# Altium PCB 6502_carrier.PcbDoc (part 1 of 2) (continued)
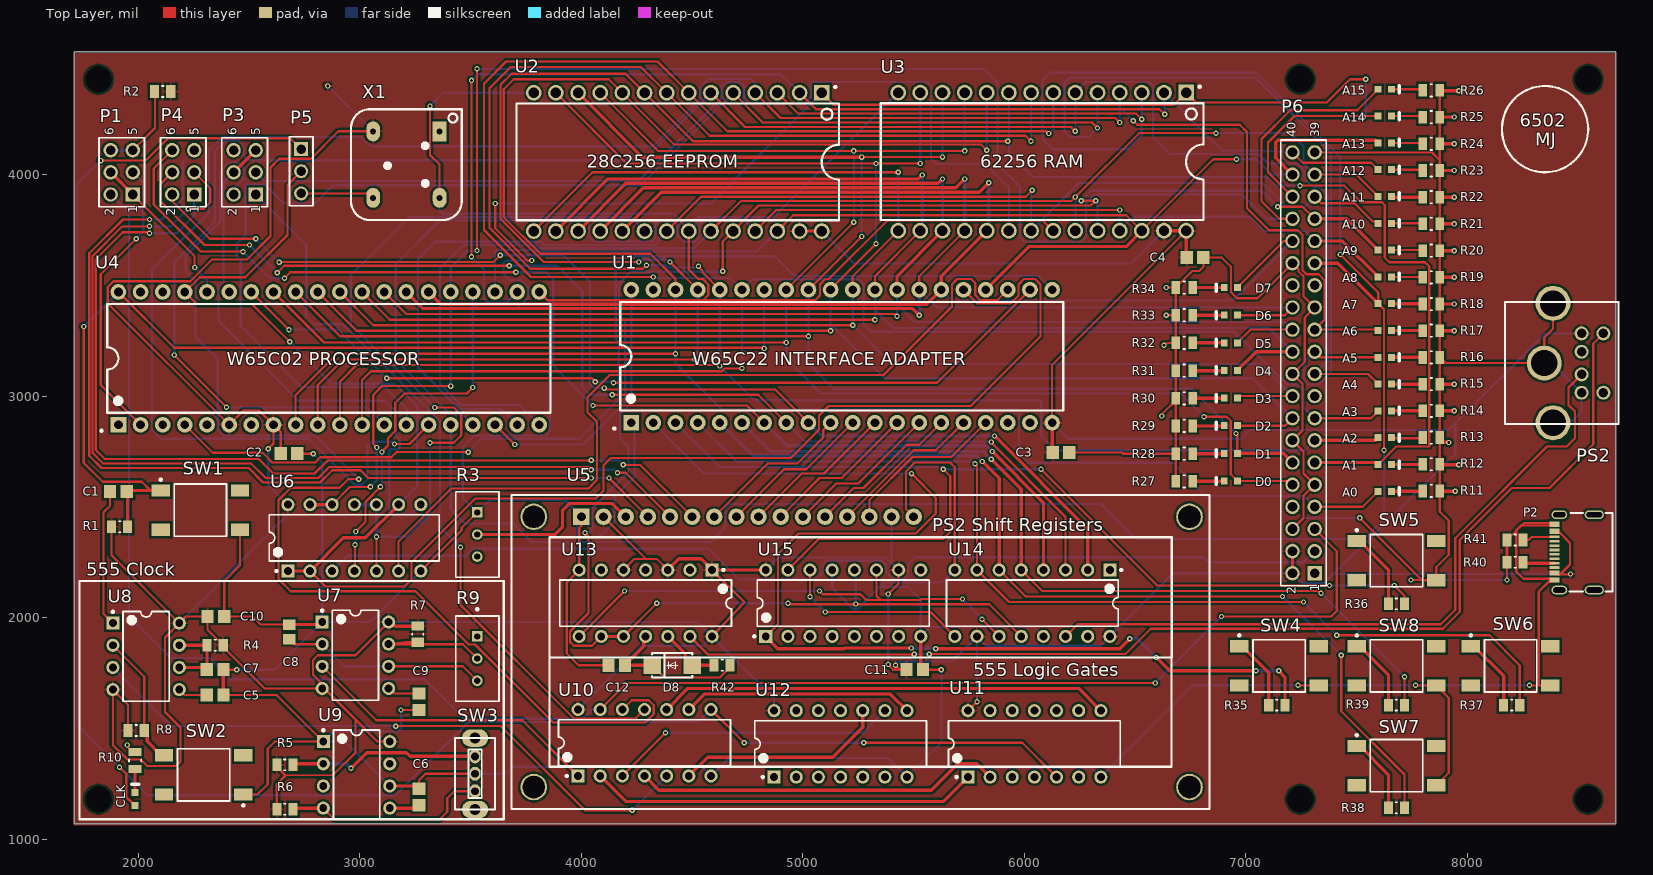
[diagram p0: Top Layer view]
## Part data
A0 A1 A2 A3 A4 A5 A6 A7 A8 A9 A10 A11 A12 A13 A14 A15 CLK: library part CMP-2100-03577-1, "Chip LED, Blue, 5 V, 25 mA, -40 to 85 degC, 2-Pin SMD (0603), RoHS, Tape and Reel", Case/Package=SMD/SMT, Colour=Blue, Forward Current=25mA, Forward Voltage=3V, Manufacturer="Everlight Electronics", Max Operating Temperature=85degC, Min Operating Temperature=-40degC, Package Description="2-Pin Surface Mount Device, Body 1.6 x 0.8 mm", Package Reference=0603, Power Dissipation=110W, Test Current=20mA, Datasheet URL=https://datasheet.ciiva.com/26901/getdatasheetpartid-420616-26901324.pdf, Datasheet Version="Rev. 1.0, 03/2003", Depth=0.8mm, Dominant Wavelength=470nm, Lead Free=LeadFree, Length=1.6mm, Lens Style=Rectangular, Luminous Intensity=28.5mcd, Manufacturer URL=http://www.everlight.com/, Mount=SurfaceMount, Number of Elements=1, Number of LEDs=1, Number of Pins=2, Packaging=TapeandReel, Radiation Hardening=No, RoHSCompliant=true, Viewing Angle=120degrees
C1 C2 C3 C4 C7 C10 C11 C12: library part CMP-2100-03644-1, "Chip Capacitor, 0.1 uF, +/- 10%, 50 V, -55 to 125 degC, 0805 (2012 Metric), RoHS, Tape and Reel", Capacitance=100nF, Case Code (Imperial)=0805, Case Code (Metric)=2012, Dielectric=X7R, Dielectric Material=Ceramic, Insulation Resistance=10GR, Manufacturer=Murata, Max Operating Temperature=125degC, Min Operating Temperature=-55degC, Package Description="2-Pin Surface Mount Device, Body 2 x 1.25 mm", Package Quantity=1, Tolerance=10%, Voltage=50V, Case/Package=0805, Datasheet URL=http://psearch.en.murata.com/capacitor/product/GRM21BR71H104KA01%23.pdf, Datasheet Version=42675.0, Depth=1.25mm, Height=1.25mm, Lead Free=LeadFree, Length=2mm, Manufacturer URL=http://www.murata.com/, Material=Ceramic, Mount=SurfaceMount, Number of Pins=2, Package Reference=0805, Packaging=TapeandReel, Radiation Hardening=No, REACH SVHC=Unknown, RoHSCompliant=true, Termination=SMD/SMT, Thickness=0.053inch, Voltage Rating=50V, Voltage Rating (DC)=50V, Width=0.049inch
C5 C6 C9: library part CMP-2000-05013-1, "Chip Capacitor, 10 nF, +/- 10%, 50 V, -55 to 125 degC, 0805 (2012 Metric), RoHS, Tape and Reel", Capacitance=10nF, Capacitance - pF=10000pF, Case Code - in=0805, Case Code - mm=2012, Case Height=0.6mm, Case Length=2mm, Case Width=1.25mm, Dielectric=X7R, Manufacturer=Murata, Maximum Operating Temperature=+125C, Minimum Operating Temperature=-55C, Operating Temperature Range=-55Cto+125C, Package / Case=0805(2012metric), Temperature Coefficient / Code=+/-15%, Tolerance=10%, Voltage Rating=50V, Brand=MurataElectronics, Capacitance - nF=10nF, Datasheet URL=https://datasheet.ciiva.com/29201/452521-da-01-en-vs-kondensator-0805-29201121.pdf, Datasheet Version=Dec-10, Dimensions=1.25mmWx2mmLx0.6mmH, Factory Pack Quantity=4000, Manufacturer URL=http://www.murata.com/, Packaging=Reel, Product=GeneralTypeMLCCs, Product Category=MultilayerCeramicCapacitorsMLCC-SMD/SMT, RoHS=Details, Series=GRM, Termination Style=SMD/SMT, Type=GeneralPurposeMLCC, Voltage Rating DC=50V
C8: library part CMP-2007-00957-1, Capacitance=1uF, Manufacturer=Murata, Part Number=GRM216R61E105KA12D
D0 D1 D2 D3 D4 D5 D6 D7: library part CMP-2100-03580-1, "Green 520~535nm 0603 Light Emitting Diodes (LED) RoHS", Colour=Green, Forward Voltage=2V, Manufacturer="Everlight Electronics", Package Description="2-Pin Surface Mount Device, Body 1.6 x 0.8 mm", Package Reference=0603, Datasheet URL=https://datasheet.ciiva.com/48679/19-217-g7c-an1p2-3t-48679179.pdf, Datasheet Version="Rev. 1, 04/2006", Lead Free=LeadFree, Lens Style=Rectangular, Manufacturer URL=http://www.everlight.com/, Mount=SurfaceMount, Number of LEDs=1, Number of Pins=2, RoHSCompliant=true, Viewing Angle=120degrees
D8: library part C95872, "General Purpose Diode, SMT, DO-214"
P1 P3 P4: library part CMP-1502-01072-1, "THT Vertical Pin Header WR-PHD, Pitch 2.54 mm, Dual Row, 6 pins", Contact Resistance=20mOhm, Manufacturer="Wurth Elektronik", Operating Temperature=-40to105degC, Rated Current=3A, Withstanding Voltage=500VAC, Working Voltage=250VAC, Datasheet URL=https://katalog.we-online.de/em/datasheet/6130xx21121.pdf, Gender=Male, Manufacturer URL=http://www.we-online.de, Mounting Technology=THT, Orientation=Vertical, Package Reference=61300621121, Packaging=Bag, Part Number=61300621121, Pin Number=6, Pitch=2.54mm, Publisher=WurthElektronik, Row Number=Dual
P2: "USB Type C Receptacle"
P5: library part CMP-1502-01062-1, "THT Vertical Pin Header WR-PHD, Pitch 2.54 mm, Single Row, 3 pins", Contact Resistance=20mOhm, Manufacturer="Wurth Elektronik", Operating Temperature=-40to105degC, Rated Current=3A, Withstanding Voltage=500VAC, Working Voltage=250VAC, Datasheet URL=https://katalog.we-online.de/em/datasheet/6130xx11121.pdf, Gender=Male, Manufacturer URL=http://www.we-online.de, Mounting Technology=THT, Orientation=Vertical, Package Reference=61300311121, Packaging=Bag, Part Number=61300311121, Pin Number=3, Pitch=2.54mm, Publisher=WurthElektronik, Row Number=Single
P6: library part CMP-1502-01135-1, "THT Vertical Pin Header WR-PHD, Pitch 2.54 mm, Dual Row, 40 pins", Contact Resistance=20mOhm, Manufacturer="Wurth Elektronik", Operating Temperature=-40to105degC, Rated Current=3A, Withstanding Voltage=500VAC, Working Voltage=250VAC, Datasheet URL=https://katalog.we-online.de/em/datasheet/6130xx21121.pdf, Gender=Male, Manufacturer URL=http://www.we-online.de, Mounting Technology=THT, Orientation=Vertical, Package Reference=61304021121, Packaging=Bag, Part Number=61304021121, Pin Number=40, Pitch=2.54mm, Publisher=WurthElektronik, Row Number=Dual
PS2: library part PS2_CONN, "PS2 Port"
R1 R2 R5 R6 R7 R8 R35 R36 R37 R38 R39: library part CMP-1013-00510-2, Manufacturer="Vishay Dale", Resistance=1K, Part Number=CRCW08051K00FKEA
R3: library part CMP-07234-000024-1, "TRIMMER 10K OHM 0.5W PC PIN TOP", Max Operating Temperature=125°C, Max Power Dissipation=500mW, Min Operating Temperature=-55°C, Package Quantity=1, Resistance=10K, Temperature Coefficient=100ppm/°C, Tolerance=10%, Composition=Cermet, Contact Plating=Tin, Depth=4.83mm, Height=0.395inch, Length=9.53mm, Military Standard=Not, Mount="Through Hole", Number of Turns=25, Packaging="Tape and Reel", Power Rating=500mW, Radiation Hardening=No, REACH SVHC="No SVHC", Taper=Linear, Termination=Pin, Weight=0.03oz, Width=0.19inch
R4: library part CMP-2001-03632-1, Manufacturer="Vishay Dale", Resistance=1M, Part Number=CRCW08051M00JNEA
R9: library part CMP-2000-05583-2, "TRIMMER 1M OHM 0.5W PC PIN TOP", Manufacturer=Bourns, Manufacturer Part Number=3296W-1-504LF, Package=3296W, Power Rating=0.5W, Resistance=1MΩ, Temperature="-55°C to +125°C", Temperature Coefficient=100ppm/°C, Temperature Range High=+125°C, Temperature Range Low=-55°C, Tolerance=10%, Voltage Rating=300V, Automotive=No, Category=Res, ComponentLink2Description=Datasheet, ComponentLink2URL=https://www.bourns.com/docs/Product-Datasheets/3296.pdf, Device Class L1="Passive Components", Device Class L2=Resistors, Device Class L3="Variable Resistors and Potentiometers", Digikey Description="TRIMMER 500K OHM 0.5W PC PIN TOP", Height=12.05mm, Lead Free=Yes, Mouser Description="Trimmer; Cermet; Rest 500 Kilohms; PCB; 25 Turns; Pwr-Rtg 0.5W", Octopart=https://octopart.com/3296w-1-504lf-bourns-143884, RoHS=TRUE, Series="Trimpot 3296-Sealed", Standoff Height=0.38mm
R10 R11 R12 R13 R14 R15 R16 R17 R18 R19 R20 R21 R22 R23 R24 R25 R26 R27 R28 R29 R30 R31 R32 R33 R34: library part CMP-2001-03682-2, "RES Thick Film, 220Ω, 1%, 0.125W, 100ppm/°C, 0805", Case Code (Imperial)=0805, Case Code (Metric)=2012, Max Operating Temperature=155°C, Max Power Dissipation=125mW, Min Operating Temperature=-55°C, Package Quantity=10, Resistance=220R, Temperature Coefficient=100ppm/°C, Tolerance=1%, Voltage Rating=150V, Case/Package=0805, Composition="Thick Film", Contact Plating=Tin, Depth=1.25mm, Features="Automotive AEC-Q200", Height=0.45mm, Lead Free="Lead Free", Length=2mm, Military Standard=Not, Mount="Surface Mount", Number of Terminations=2, Packaging="Tape and Reel", Power Rating=125mW, Radiation Hardening=No, Termination=SMD/SMT, Voltage Rating (DC)=150V, Weight=0.000194oz, Width=0.049inch
R40 R41: library part CMP-1013-00510-2, "5.1kΩ ±1% 0.125W ±100ppm/℃ 0805 Chip Resistor - Surface Mount RoHS", Manufacturer=UniOhm, Resistance=5.1K, Part Number=0805W8F5101T5E
R42: library part CMP-1013-00510-2, "33K, 0805 Chip Resistor, UniOhm", Manufacturer="Uni Ohm", Resistance=33K, Part Number=0805W8F3302T5E
SW1 SW2 SW4 SW5 SW6 SW7 SW8: library part CMP-2000-05602-2, "Swicth, SPST, 24 V, -35 to 85 degC, 4-Pin SMD, RoHS, Tape and Reel", Case\/Package=SMD/SMT, Contact Current Rating=50mA, Contact Resistance=100mOhm, Manufacturer="TE Connectivity", Max Operating Temperature=85degC, Max Voltage Rating (DC)=12V, Min Operating Temperature=-35degC, Operating Force=1.57N, Package Description="4-Pin Surface Mount Device, Body 6 x 6 mm, Pitch 4.5 mm", Package Quantity=750, Package Reference=FSM4JSMA, Voltage Rating=24V, Actuator Length=0.055inch, Actuator Material=Polyamide, Contact Material=CopperAlloy, Contact Plating=Silver, Current Rating=50mA, Datasheet URL=http://www.te.com/commerce/DocumentDelivery/DDEController?Action=showdoc&DocId=Customer+Drawing%7F2-1437565-7%7FV%7Fpdf%7FEnglish%7FENG_CD_2-1437565-7_V.pdf%7F4-1437565-2, Datasheet Version="Rev. V, 02/2015", Electrical Life=100000Cycles, Illumination Type=Illuminated, Length=6mm, Manufacturer URL=http://www.te.com/, Mechanical Life=100000Cycles, Mount=SurfaceMount, Mounting Technology=SurfaceMount, Orientation=Straight, Packaging=LoosePiece, REACH SVHC=Unknown, RoHSCompliant=true, Switch Travel=0.25mm, Termination=GullWing, Throw Configuration=SPST, Voltage Rating (DC)=24V, Width=6mm
SW3: "SPDT, Korean Hroparts Elec SS-12D02-VG4"
U1: library part WD65C22, "WD65C22 PDIP-40, I/O Controller"
U2: "Paged Parallel EEPROM AT28C256"
U3: "32K x 8, SRAM"
U4: library part WDC65C02, "WDC 6502 PDIP-40"
U5: library part LCM1602C, "2X16 LCD Display, Parallel input"
U6: library part CMP-0976-00001-1, "Quad 2-input NAND gate, CMOS, 2 to 6 V, -40 to 125 degC, 14-Pin DIP (SOT27-1), RoHS, Bulk", Manufacturer="NXP Semiconductors", Temperature Range="-40 to 125 degC", ComponentLink1Description="Manufacturer URL", ComponentLink1URL=http://www.nxp.com/, ComponentLink2Description=Datasheet, ComponentLink2URL=http://www.nxp.com/documents/data_sheet/74HC_HCT00.pdf, ComponentLink3Description="Package Specification", ComponentLink3URL=http://www.nxp.com/documents/outline_drawing/sot027-1_po.pdf, DatasheetVersion="Rev. 6", fmax (MHz)=36, Input levels=CMOS, Mounting Technology="Through Hole", Nr of bits=4, Output drive capability (mA)="+/- 5.2", PackageDescription="14-Pin plastic dual in-line package, Body 19.025 x 6.34 mm, Pitch 2.54 mm", PackageReference=SOT27-1, PackageVersion=Feb-03, Packing=Bulk, PartNumber=74HC00N, RoHS=TRUE, tpd (ns)=7, VCC (V)="2 to 6"
U7 U8 U9: library part CMP-0056-00017-2, "Timer, 8-pin MDIP", Manufacturer="National Semiconductor", PackageTopMarking=NSUZXYTTE#*LM*555CN, PowerWise=N, Code_JEDEC=MS-001-BA, ComponentLink1Description="LM555 Datasheet", ComponentLink1URL=http://www.national.com/ds/LM/LM555.pdf, ComponentLink2Description="LM555 Web Page", ComponentLink2URL=http://www.national.com/pf/LM/LM555.html, ComponentLink3Description="N08E Package Page", ComponentLink3URL=http://www.national.com/packaging/folders/n08e.html, CompType="Analog IC", DatasheetVersion=Jul-2006, PackageDescription="MDIP, .365 x .250 x .130in, 8 Lead, .100in Pitch", PackageReference=N08E, PackageVersion="revG, May-2006", PinCount=8, RevisionNote="Component URLs added", RoHS=N
U10: library part CMP-0777-00259-3, "Quadruple 2-Input Positive-AND Gates, N0014A, TUBE", F @ Nom Voltage(Max)(Mhz)=35, Generic Part Number=SN74LS08, ICC @ Nom Voltage(Max)(mA)=0.021, Manufacturer="Texas Instruments", Operating Temperature Range(C)="0 to 70", Rating=Catalog, tpd @ Nom Voltage(Max)(ns)=25, Voltage(Nom)(V)=5, Bits(#)=4, DatasheetVersion=SDLS033, Input Type=TTL, Output Drive (IOL/IOH)(Max)(mA)=-0.8/16, Output Type=TTL, PackageReference=N0014A, Schmitt Trigger=No, Technology Family=LS, VCC(Max)(V)=5.25, VCC(Min)(V)=4.75
U11: library part CMP-1615-00911-2, "Hex inverters, N0014A, TUBE", F @ Nom Voltage(Max)(Mhz)=35, Generic Part Number=SN74LS04, ICC @ Nom Voltage(Max)(mA)=0.033, Manufacturer="Texas Instruments", Operating Temperature Range(C)="0 to 70", Rating=Catalog, tpd @ Nom Voltage(Max)(ns)=22, Voltage(Nom)(V)=5, Bits(#)=6, Code_JEDEC=MS-001, DatasheetVersion=SDLS029C, Input Type=TTL, Output Drive (IOL/IOH)(Max)(mA)=-0.4/8, Output Type=CMOS, PackageReference=N0014A, Schmitt Trigger=No, Technology Family=LS, VCC(Max)(V)=5.25, VCC(Min)(V)=4.75
U12: library part CMP-1573-00145-3, "Quad 2-input positive-OR gates, N0014A, TUBE", F @ Nom Voltage(Max)(Mhz)=35, Generic Part Number=SN74LS32, ICC @ Nom Voltage(Max)(mA)=0.038, Manufacturer="Texas Instruments", Operating Temperature Range(C)="0 to 70", Rating=Catalog, tpd @ Nom Voltage(Max)(ns)=22, Voltage(Nom)(V)=5, Bits(#)=4, Code_JEDEC=MS-001, DatasheetVersion=SDLS100, Input Type=TTL, Output Drive (IOL/IOH)(Max)(mA)=0.8/-16, Output Type=TTL, PackageReference=N0014A, PackageVersion=http://www.ti.com/lit/ml/mpdi002c/mpdi002c.pdf, VCC(Max)(V)=5.25, VCC(Min)(V)=4.75
U13: library part CMP-1615-00889-3, "Hex Schmitt-Trigger Inverters, N0014A, TUBE", F @ Nom Voltage(Max)(Mhz)=20, Generic Part Number=SN74HC14, ICC @ Nom Voltage(Max)(mA)=0.02, Manufacturer="Texas Instruments", Operating Temperature Range(C)="-40 to 85", Rating=Catalog, tpd @ Nom Voltage(Max)(ns)=31, Voltage(Nom)(V)=5, Bits(#)=6, Code_JEDEC=MS-001, DatasheetVersion=SCLS085G, Input Type=CMOS, Output Drive (IOL/IOH)(Max)(mA)=-4/4, Output Type=CMOS, PackageReference=N0014A, Schmitt Trigger=Yes, Technology Family=HC, VCC(Max)(V)=6, VCC(Min)(V)=2
U14 U15: library part CMP-0780-00137-3, "8-Bit Shift Registers With 3-State Output Registers, N0016A, TUBE", F @ Nom Voltage(Max)(Mhz)=28, Generic Part Number=SN74HC595, ICC @ Nom Voltage(Max)(mA)=0.08, Manufacturer="Texas Instruments", Operating Temperature Range(C)="-40 to 85", Rating=Military, tpd @ Nom Voltage(Max)(ns)=34, Voltage(Nom)(V)=6, 3-State Output=Yes, Bits=8, Code_JEDEC=MS-001, DatasheetVersion=SCLS041H, Input Type=CMOS, Output Drive (IOL/IOH)(Max)(mA)=7.8/-7.8, Output Type=CMOS, PackageReference=N0016A, PackageVersion=http://www.ti.com/lit/ml/mpdi002c/mpdi002c.pdf, Technology Family=HC, VCC(Max)(V)=6, VCC(Min)(V)=2
X1: "12.9MM x 12.9MM, 1MHz Can Oscillator"

## Free pads (board coordinates)
  round 60 hole 118.11: 2(1820,1180) 2(1820,4430) 2(7245,1179.98) 2(7245,4429.98) 2(8545,1180) 2(8545,4430)

## Via types
v1: diameter 24.02, hole 12.2, Top Layer to Bottom Layer, tented both sides, 194 vias

## Nets (pads, with @x,y where several pads share a name; then routed paths per layer and width w, separated by ;. In a path a pad name is that pad's centre, name@x,y a point inside that pad or via, vN(x,y) a via of type N, cw(c..) or ccw(c..) an arc to the next point about the centre after c; other vN are vias at no path point)
+3V3: P6.1
+5: C2.1 C3.1 C4.1 C10.1 C11.1 P2.A4 P2.A9 P6.2 P6.4 PS2.4 R1.1 R2.1 R4.1 R5.2 R6.2 R7.1 R8.2 U1.20 U2.27 U2.28 U3.27 U3.28 U4.6 U4.8 U5.2 U5.15 U6.14 U7.4 U7.8 U8.4 U8.8 U9.8 U10.14 U11.14 U12.14 U13.1 U13.3 U13.5 U13.14 U14.10 U14.16 U15.10 U15.16 X1.2 | length 25475.6
  Top Layer w10: R1.1@1878.58,2410 1878.58,2281.42 U8.8@2185,1975 ; R8.2@1953.58,1490 1953.58,1606.42 U8.4@1885,1675 1885,1425 1946.46,1363.54 1950,1360 2010,1360 2040,1330 2170,1330 2190,1350 2190,1504 2120,1574 2120,1910 U8.8@2185,1975 ; v1(2586,2762) 2610,2786 U4.8@2610,2870 ; R6.2@2625.2,1135 2625.2,1248 2664.76,1287.56 ; R5.2@2625.2,1335 2625.2,1327.13 2664.76,1287.56 ; C2.1@2642.6,2740 2642.6,2837.4 U4.8@2610,2870 ; U7.4@2845,1678.27 2845,1680 U7.4@2840,1680 ; v1@2846.21,4405 2851.21,4400 v1(2855,4400) ; U7.4@2847.5,1682.5 2788,1742 2788,1808 2810,1830 2980,1830 U7.8@3130,1980 ; X1.2@3060,4195 2903,4195 2779,4071 2636,4071 2597,4032 2597,3723 2490,3616 2332,3616 2234,3518 1888,3518 1862,3492 1862,3418 U4.6@2410,2870 2475,2935 2545,2935 U4.8@2610,2870 ; U9.8@3135,1440 3080,1440 2980,1540 ; U5.2@4100,2455 4290,2265 ; U13.5@4190,2215 4240,2265 4290,2265 ; U13.3@4390,2215 4340,2265 4290,2265 ; U13.14@4590,1915 4736,2069 U13.1@4590,2215 ; v1(5385,1788.23) 5408.23,1765 5438,1765 ; v1(5385,2106.51) 5432.15,2153.65 U15.10@5432.15,2215 ; v1(5418,1785) 5438,1765 ; C11.1@5467.6,1765 5438,1765 ; U11.14@5745,1580 v1(5785.71,1620.71) ; U1.20@6125,2880 6125,3141.02 U3.28@6730,3746.02 ; P2.A4@8392.37,2206.61 P2.A4@8392.37,2194.79 8417.79,2194.79 ; P2.A9@8392.37,2395.59 P2.A9@8392.37,2383.78 8416,2383.78 8463,2336.78 8463,2240 8417.79,2194.79 ; v1(8465,2197) 8462.79,2194.79 8417.79,2194.79 ; U8.8@2185,1975 2215,2005 C10.1@2312.6,2005 2312.6,1945.43 R4.1@2383.03,1875 2383.03,1867.13 2570.16,1680 U7.4@2830,1680 U7.4@2840,1680 ; 2664.76,1287.56 2880,1290 2980,1390 2980,1540 ; U7.4@2840,1680 2980,1540
  Top Layer w15: U7.8@3130,1980 3141.92,1980 3160.5,1961.42 R7.1@3261.61,1961.42 ; U13.3@4390,2215 4440,2265 4540,2265 U13.1@4590,2215 U15.16@4832.15,2215 ; U2.27@4985,3745 U2.28@5085,3745 ; U1.20@6125,2880 6125,2747.6 C3.1@6127.6,2745 ; U3.27@6630,3746.02 U3.28@6730,3746.02 6730,3627.6 C4.1@6732.6,3625 ; P6.2@7210,2200 P6.4@7210,2300
  Bottom Layer w10: U8.8@2185,1975 2675,2465 U6.14@2675,2510 2586,2599 v1(2586,2762) ; v1(2855,4400) X1.2@3060,4195 ; U7.8@3130,1980 4525,1980 U13.14@4590,1915 ; U10.14@3985,1585 4273,1873 4548,1873 U13.14@4590,1915 ; U15.16@4832.15,2215 4888.67,2271.53 5375.62,2271.53 5400,2247.15 ; U12.14@4870,1580 4870,1635 U13.14@4590,1915 ; U2.28@5085,3745 5232,3598 6481.98,3598 U3.27@6630,3746.02 ; v1(5385,1788.23) v1(5385,2106.51) ; U5.15@5400,2455 5400,2247.15 ; v1(5418,1785) 5421.79,1785 5438.62,1801.82 5672.53,1801.82 U14.10@5785.71,1915 ; U15.10@5432.15,2215 5400,2247.15 ; v1(5785.71,1620.71) U14.10@5785.71,1915 ; U1.20@6125,2880 6198.01,2806.99 6979.01,2806.99 7019.02,2847 7916,2847 7945,2876 ; v1(8465,2197) 7397,2197 ; PS2.4@8515,3282.8 8351.8,3282.8 7945,2876 ; U14.10@5785.71,1915 5827.71,1873 6343.71,1873 U14.16@6385.71,1915 6670.71,2200 P6.2@7210,2200 7255,2155 7353.61,2155 7395.61,2197 7397,2197 ; 7397,2197 7945,2740 7945,2876
A0: A0.1 P6.7 U1.38 U2.10 U3.10 U4.9 | length 9947.1
  Top Layer w10: U4.9@2710,2870 2710,3005 2896.51,3191.51 v1(4425,3191.51) ; U1.38@4425,3480 4425,3528.6 4311.04,3642.56 3815.27,3642.56 3650.01,3807.82 3650.01,4385.01 3695,4430 4123.98,4430 U2.10@4185,4368.98 4418.98,4135 5805,4135 v1(5830,4110) ; P6.7@7310,2500 7527.08,2500 A0.1@7597.09,2570
  Bottom Layer w10: U1.38@4425,3480 v1(4425,3191.51) 4425,3147 4633,2939 5964,2939 5975,2928 5975,2740 6016,2699 6669,2699 6819,2549 7261,2549 P6.7@7310,2500 ; v1(5830,4110) U3.10@5830,4370
A1: A1.1 P6.11 U1.37 U2.9 U3.9 U4.10 | length 10228.3
  Top Layer w10: U4.10@2810,2870 2810,3050 2925,3165 v1(4511.11,3165) ; v1(4258.74,3605) 3829.97,3605 3635.01,3799.96 3635.01,4405.01 3685,4455 4198.98,4455 U2.9@4285,4368.98 4503.98,4150 v1(5925,4150) ; v1(4400,3605) U1.37@4525,3480 ; v1(7244,3950) 7444,3950 7519,3875 7614,3875 7627,3862 7627,3625 7648,3604 7808,3604 7827,3585 7827,2772 7678.08,2772 A1.1@7597.09,2691
  Top Layer w15: P6.11@7310,2700 7588.09,2700 A1.1@7597.09,2691
  Bottom Layer w10: v1(4258.74,3605) 4268.78,3615.03 4389.97,3615.03 v1(4400,3605) ; v1(4511.11,3165) 4525,3178.89 U1.37@4525,3480 ; v1(5925,4150) 5927.68,4152.68 5927.68,4162.68 5930,4165 ; U3.9@5930,4370 5930,4165 ; v1(7244,3950) 7135,3950 7095.96,3989.04 6036.96,3989.04 5930,4096 5930,4150 5930,4160 5930,4165
A2: A2.1 P6.13 U1.36 U2.8 U3.8 U4.11 | length 10182
  Top Layer w10: U4.11@2910,2870 2910,3065 2985,3140 v1@4623.49,3140 ; v1(4293.65,3591.02) 4277.65,3575.02 3769.54,3575.02 3585,3759.56 3585,4390 3680,4485 4268.98,4485 U2.8@4385,4368.98 4578.98,4175 6005,4175 v1(6030,4150) ; v1(4528.55,3585.46) 4528.55,3583.52 4546.68,3565.39 4546.68,3558.32 U1.36@4625,3480
  Top Layer w15: P6.13@7310,2800 7585.08,2800 A2.1@7597.09,2812
  Bottom Layer w10: v1(4293.65,3591.02) 4380.02,3591.02 4391.05,3580 4519.3,3580 4524.76,3585.46 v1(4528.55,3585.46) ; U1.36@4625,3480 v1(4625,3136) 4780,2981 6074,2981 6076,2979 6076,2821 6142,2755 7265,2755 P6.13@7310,2800 ; v1(6030,4150) U3.8@6030,4370
A3: A3.1 P6.15 U1.35 U2.7 U3.7 U4.12 | length 10464.2
  Top Layer w10: U4.12@3010,2870 3010,3072 3049.99,3111.99 4634.94,3111.99 4647.95,3125 v1(4725,3125) ; v1(4325,3537.44) 3772.56,3537.44 3560,3750 3560,4410 3660,4510 4343.98,4510 U2.7@4485,4368.98 4658.98,4195 6100,4195 v1(6110,4185) ; P6.15@7310,2900 7564.08,2900 A3.1@7597.09,2933
  Bottom Layer w10: v1(4325,3537.44) 4328.92,3533.52 4671.48,3533.52 U1.35@4725,3480 ; v1(4725,3125) U1.35@4725,3480 ; v1(6110,4185) 6130,4205 U3.7@6130,4370 ; P6.15@7310,2900 7260,2950 7260,3027 7232,3055 7183,3055 6948,3290 5310,3290 5273,3327 5273,3504 5249.57,3527.43 4772.43,3527.43 U1.35@4725,3480
A4: A4.1 P6.19 U2.6 U3.6 U4.13 | length 9078.1
  Top Layer w10: v1(2162,3185) v1(2398,2949) ; U2.6@4585,4368.98 4738.98,4215 6210,4215 v1(6230,4195) ; P6.19@7310,3100 7551.09,3100 A4.1@7597.09,3054
  Bottom Layer w10: v1(2162,3185) 2162,3604 2345,3787 2345,4105 2394.48,4154.48 2448.52,4154.48 2475,4128 2475,4086 2496,4065 4281.02,4065 U2.6@4585,4368.98 ; v1(2398,2949) 3031,2949 U4.13@3110,2870 ; v1(6230,4195) U3.6@6230,4370 6278,4418 6562,4418 6580,4400 6580,4169 6655.79,4093.21 7056,4093.21 7099.21,4050 7232,4050 7265.52,4016.48 7265.52,3981.57 7302.09,3945 7330,3945 7369.48,3905.52 7369.48,3159.48 P6.19@7310,3100
A5: A5.1 P6.21 U2.5 U3.5 U4.14 | length 9291
  Top Layer w10: U2.5@4685,4368.98 4818.98,4235 6305,4235 v1(6330,4210) ; P6.21@7310,3200 7335,3175 A5.1@7597.09,3175
  Bottom Layer w10: U4.14@3210,2870 3210,2943.26 3112.27,3040.99 2736.01,3040.99 2462,3315 2462,3616 2444,3634 2444,3688.02 2485,3729.02 2485,3955 2571,3955 2655,3871 2798,3871 2879,3952 4268.02,3952 U2.5@4685,4368.98 ; U3.5@6330,4370 v1(6330,4210) 6289,4169 6205,4169 6182,4192 6182,4416 6204,4438 7043,4438 7384.48,4096.52 7384.48,3108.48 7328,3052 7280,3052 7263,3069 7263,3153 P6.21@7310,3200
A6: A6.1 P6.23 U2.4 U3.4 U4.15 | length 9550.4
  Top Layer w10: v1(3156,2784) 3224,2784 U4.15@3310,2870 ; U2.4@4785,4368.98 4898.98,4255 6410,4255 v1(6430,4235) ; v1(6491,4243) 6509,4225 6972,4225 7005,4192 7005,3848 7104,3749 7234,3749 7255,3728 7255,3568 7273,3550 7328,3550 7355,3523 7355,3345 P6.23@7310,3300 7593.09,3300 A6.1@7597.09,3296
  Bottom Layer w10: v1(3156,2784) 3146,2794 3056,2794 3035,2773 3035,2624 3011,2600 2976,2600 2769,2807 2103,2807 2062,2848 2062,3571 2319,3828 2319,4110 2378.48,4169.48 3006.52,4169.48 3048,4128 4322.81,4128 4537,4342.19 4537,4393 4576,4432 4764,4432 4785,4411 U2.4@4785,4368.98 ; v1(6430,4235) 6430,4304 ; U3.4@6430,4370 6430,4304 ; v1(6491,4243) 6430,4304
A7: A7.1 P6.29 U2.3 U3.3 U4.16 | length 11120.1
  Top Layer w10: U2.3@4885,4368.98 4978.98,4275 6505,4275 v1(6530,4250) ; v1(7426,3639) 7597.09,3467.91 A7.1@7597.09,3417 7623,3391.09 v1(7623,2755)
  Top Layer w15: P6.29@7310,3600 7414.09,3600 A7.1@7597.09,3417
  Bottom Layer w10: U4.16@3410,2870 3410,2490 3475,2425 3692,2425 3776,2341 4584,2341 4651,2408 4651,2496 4668,2513 6346,2513 6504,2355 7534,2355 7623,2444 v1(7623,2755) ; U3.3@6530,4370 v1(6530,4250) 6530,4180 6464,4114 6128,4114 6082,4160 6082,4426.37 6115.63,4460 7045,4460 7426,4079 v1(7426,3639)
A8: A8.1 P6.31 U2.25 U3.25 U4.17 | length 6000.6
  Top Layer w10: U2.25@4785,3745 4880,3840 v1(6430,3840)
  Top Layer w15: P6.31@7310,3700 7435.09,3700 A8.1@7597.09,3538
  Bottom Layer w10: U4.17@3510,2870 3460,2920 3406,2920 3162,3164 3162,3595 3359.43,3792.43 4018.57,3792.43 4035,3776 4035,3720 4057.43,3697.57 4320,3697.57 4332.43,3710 4332.43,3776 4349.43,3793 4416,3793 4433,3776 4433,3728 4464,3697 4512,3697 4533,3718 4533,3776 4549.43,3792.43 4737.57,3792.43 U2.25@4785,3745 ; v1(6430,3840) U3.25@6430,3746.02 6492.98,3809 7018,3809 7082,3745 7265,3745 P6.31@7310,3700
A9: A9.1 P6.33 U2.24 U3.24 U4.18 | length 5313
  Top Layer w10: U4.18@3610,2870 v1(3699,2781) ; v1(4638,3564) 4638,3698 U2.24@4685,3745 4800,3860 6300,3860 v1(6322,3882) v1(6256,3882) ; v1(7144,3855) 7255,3855 P6.33@7310,3800
  Top Layer w15: P6.33@7310,3800 7456.09,3800 A9.1@7597.09,3659
  Bottom Layer w10: v1(3699,2781) 4007,2781 4198,2972 4198,3337 4170,3365 4170,3508 4223.45,3561.45 4635.45,3561.45 v1(4638,3564) ; v1(6256,3882) 6301,3927 7072,3927 v1(7144,3855) ; v1(6322,3882) 6330,3874 U3.24@6330,3746.02
A10: A10.1 P6.35 U2.21 U3.21 U4.19 | length 5920.5
  Top Layer w10: U2.21@4385,3745 4540,3900 6005.55,3900 v1(6035.08,3929.53) ; P6.35@7310,3900 7340,3870 7490,3870 7571.89,3788.12 7588.97,3788.12 A10.1@7597.09,3780
  Bottom Layer w10: U4.19@3710,2870 3639,2941 3449.97,2941 3262,3128.97 3262,3617 3342,3697 3817.57,3697 3832,3682.57 4336,3682.57 4347.43,3694 4347.43,3707.43 U2.21@4385,3745 ; v1(6035.08,3929.53) 6030,3924.45 U3.21@6030,3746.02 6245.98,3962 7075,3962 7182,3855 7265,3855 P6.35@7310,3900
A11: A11.1 P6.37 U2.23 U3.23 U4.20 | length 5863.8
  Top Layer w10: U2.23@4585,3745 4720,3880 6211,3880 v1(6230,3899) 6518,4187 v1(6865,4187) ; P6.37@7310,4000 7498.09,4000 A11.1@7597.09,3901
  Bottom Layer w10: U4.20@3810,2870 3720,2960 3457,2960 3362,3055 3362,3577.62 3466.35,3681.97 3793.16,3681.97 3807.57,3667.57 4507.57,3667.57 U2.23@4585,3745 ; U3.23@6230,3746.02 v1(6230,3899) ; v1(6865,4187) 7201,4187 7260,4128 7260,4050 P6.37@7310,4000
A12: A12.1 P6.40 U2.2 U3.2 U4.22 | length 5604.4
  Top Layer w10: v1(3504,3629) v1(3504,4425) ; U2.2@4985,4368.98 5058.98,4295 6610,4295 v1(6633.21,4271.79) ; P6.40@7210,4100 7256.98,4053.02 7566.07,4053.02 A12.1@7597.09,4022
  Bottom Layer w10: v1(3504,3629) 3560,3573 3560,3440 3578,3422 3662,3422 U4.22@3710,3470 ; v1(3504,4425) 3532,4453 4900.98,4453 U2.2@4985,4368.98 ; U3.2@6630,4370 U3.2@6633.28,4366.72 ; v1(6633.21,4271.79) 6633.28,4271.85 U3.2@6633.28,4366.72 ; P6.40@7210,4100 7062.79,4108.21 6891.79,4108.21 U3.2@6633.28,4366.72
A13: A13.1 P6.38 U1.24 U2.26 U3.26 U4.23 | length 5508.3
  Top Layer w10: U2.26@4885,3745 4955.99,3815.99 6460.03,3815.99 U3.26@6530,3746.02 6852.98,4069 v1(6957,4069)
  Top Layer w15: U1.24@5825,3480 6020,3675 6458.98,3675 U3.26@6530,3746.02 ; P6.38@7210,4000 7135,4075 7135,4146.21 7143.79,4155 7585.09,4155 A13.1@7597.09,4143
  Bottom Layer w10: U4.23@3610,3470 3610,3615.98 3609.99,3648 3622,3660.01 3785.12,3660.01 3792.57,3652.57 4792.57,3652.57 U2.26@4885,3745 ; v1(6957,4069) 7047,4069 7116,4000 P6.38@7210,4000